# Altium PCB MatrixLantern.PcbDoc (part 1 of 2)
Units mm, origin at the board's own origin, x right, y up, seen from the top; angles counter-clockwise.
Board outline 100 x 100 mm, 2 copper layers (Top Layer, Bottom Layer); 106 components, 79 nets, 554 pads, 391 vias.
Unrouted connection lines stored in the file: 95.
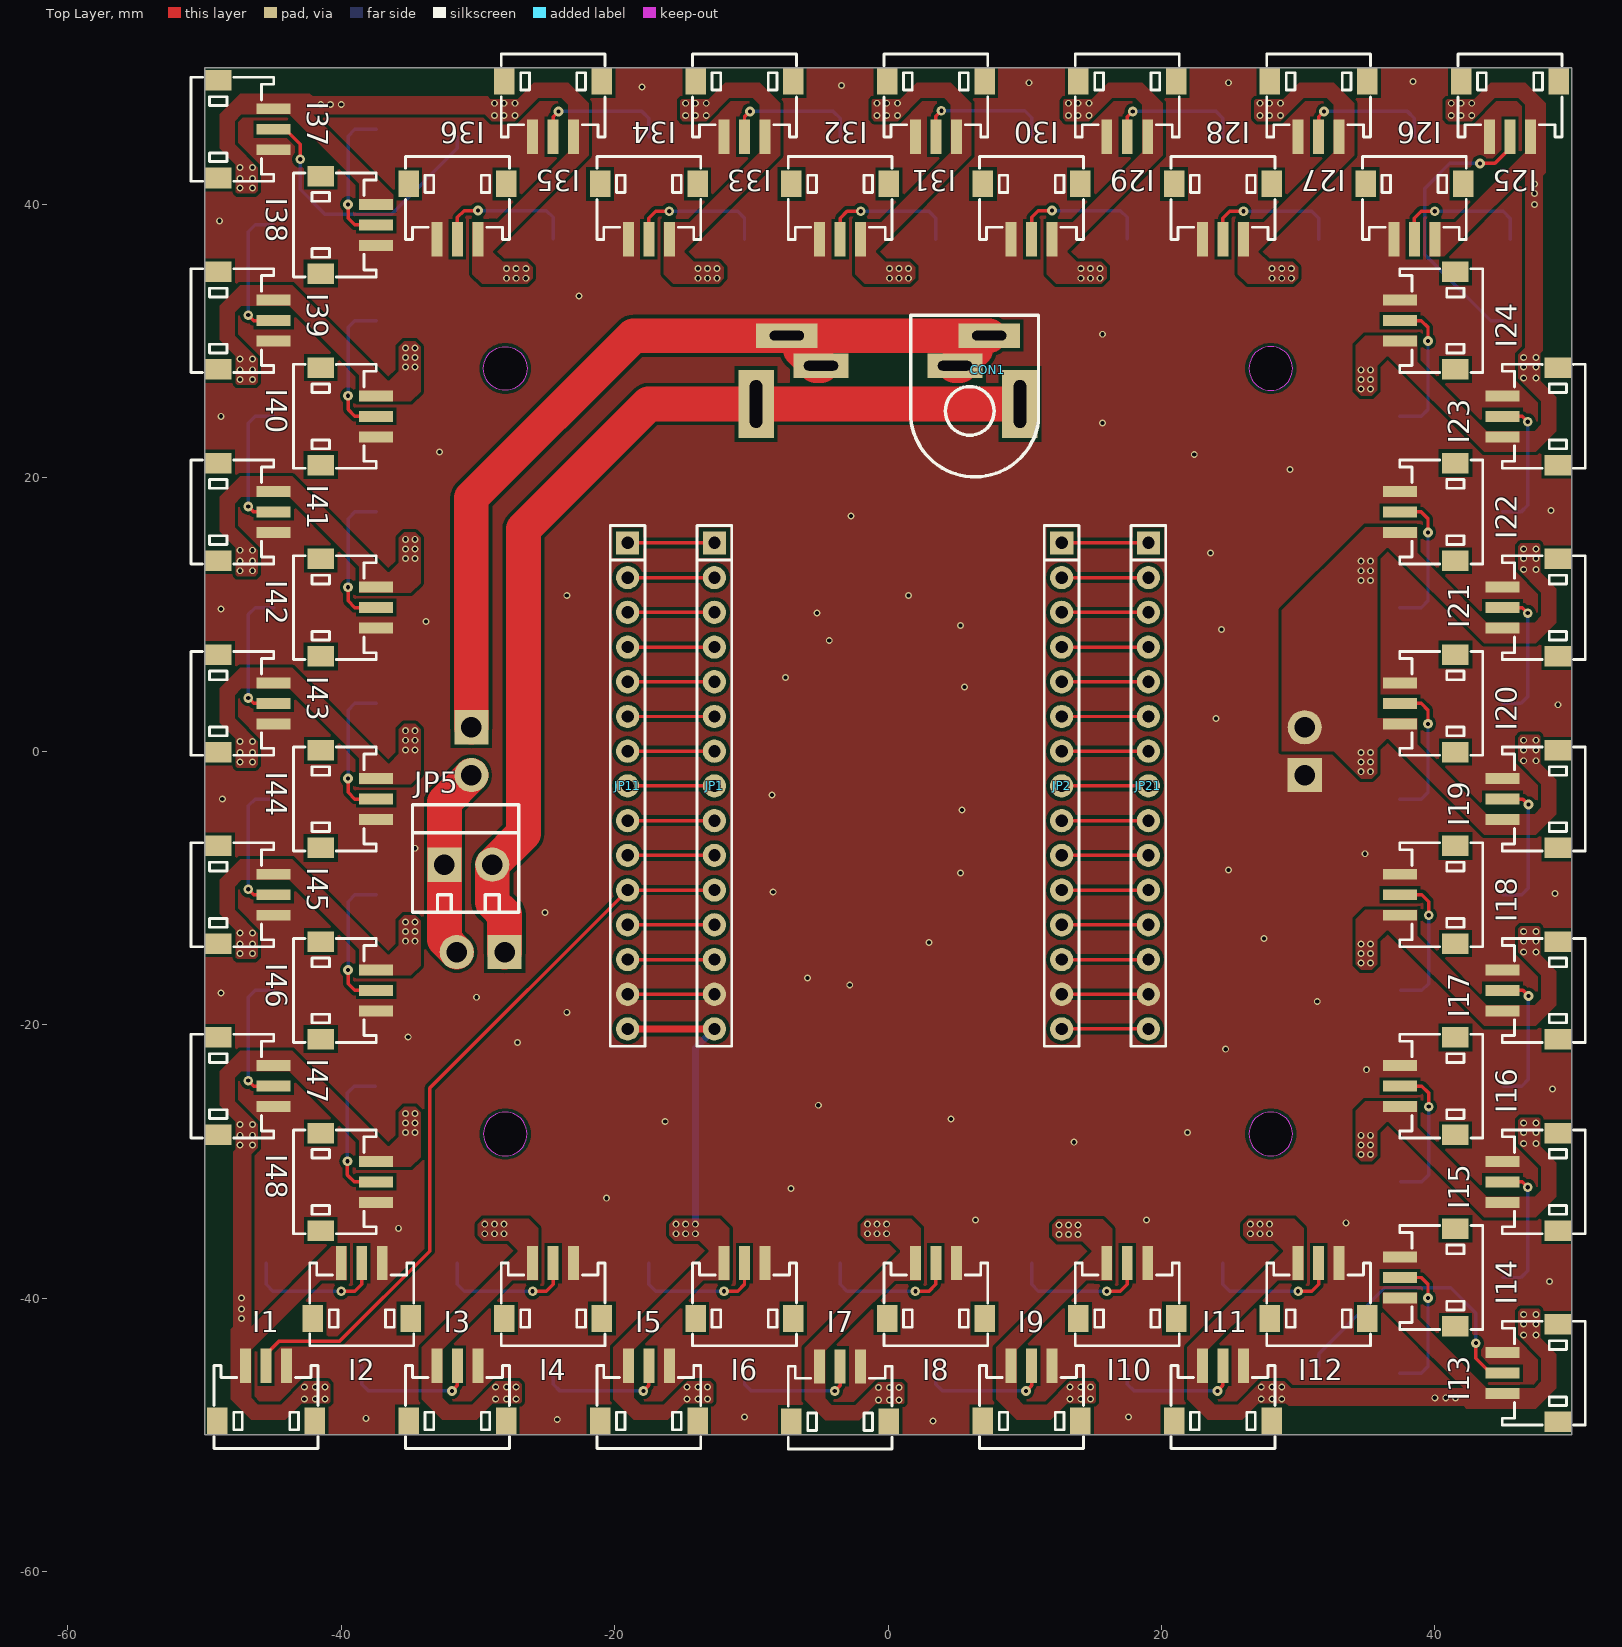
[diagram p0: Top Layer view]
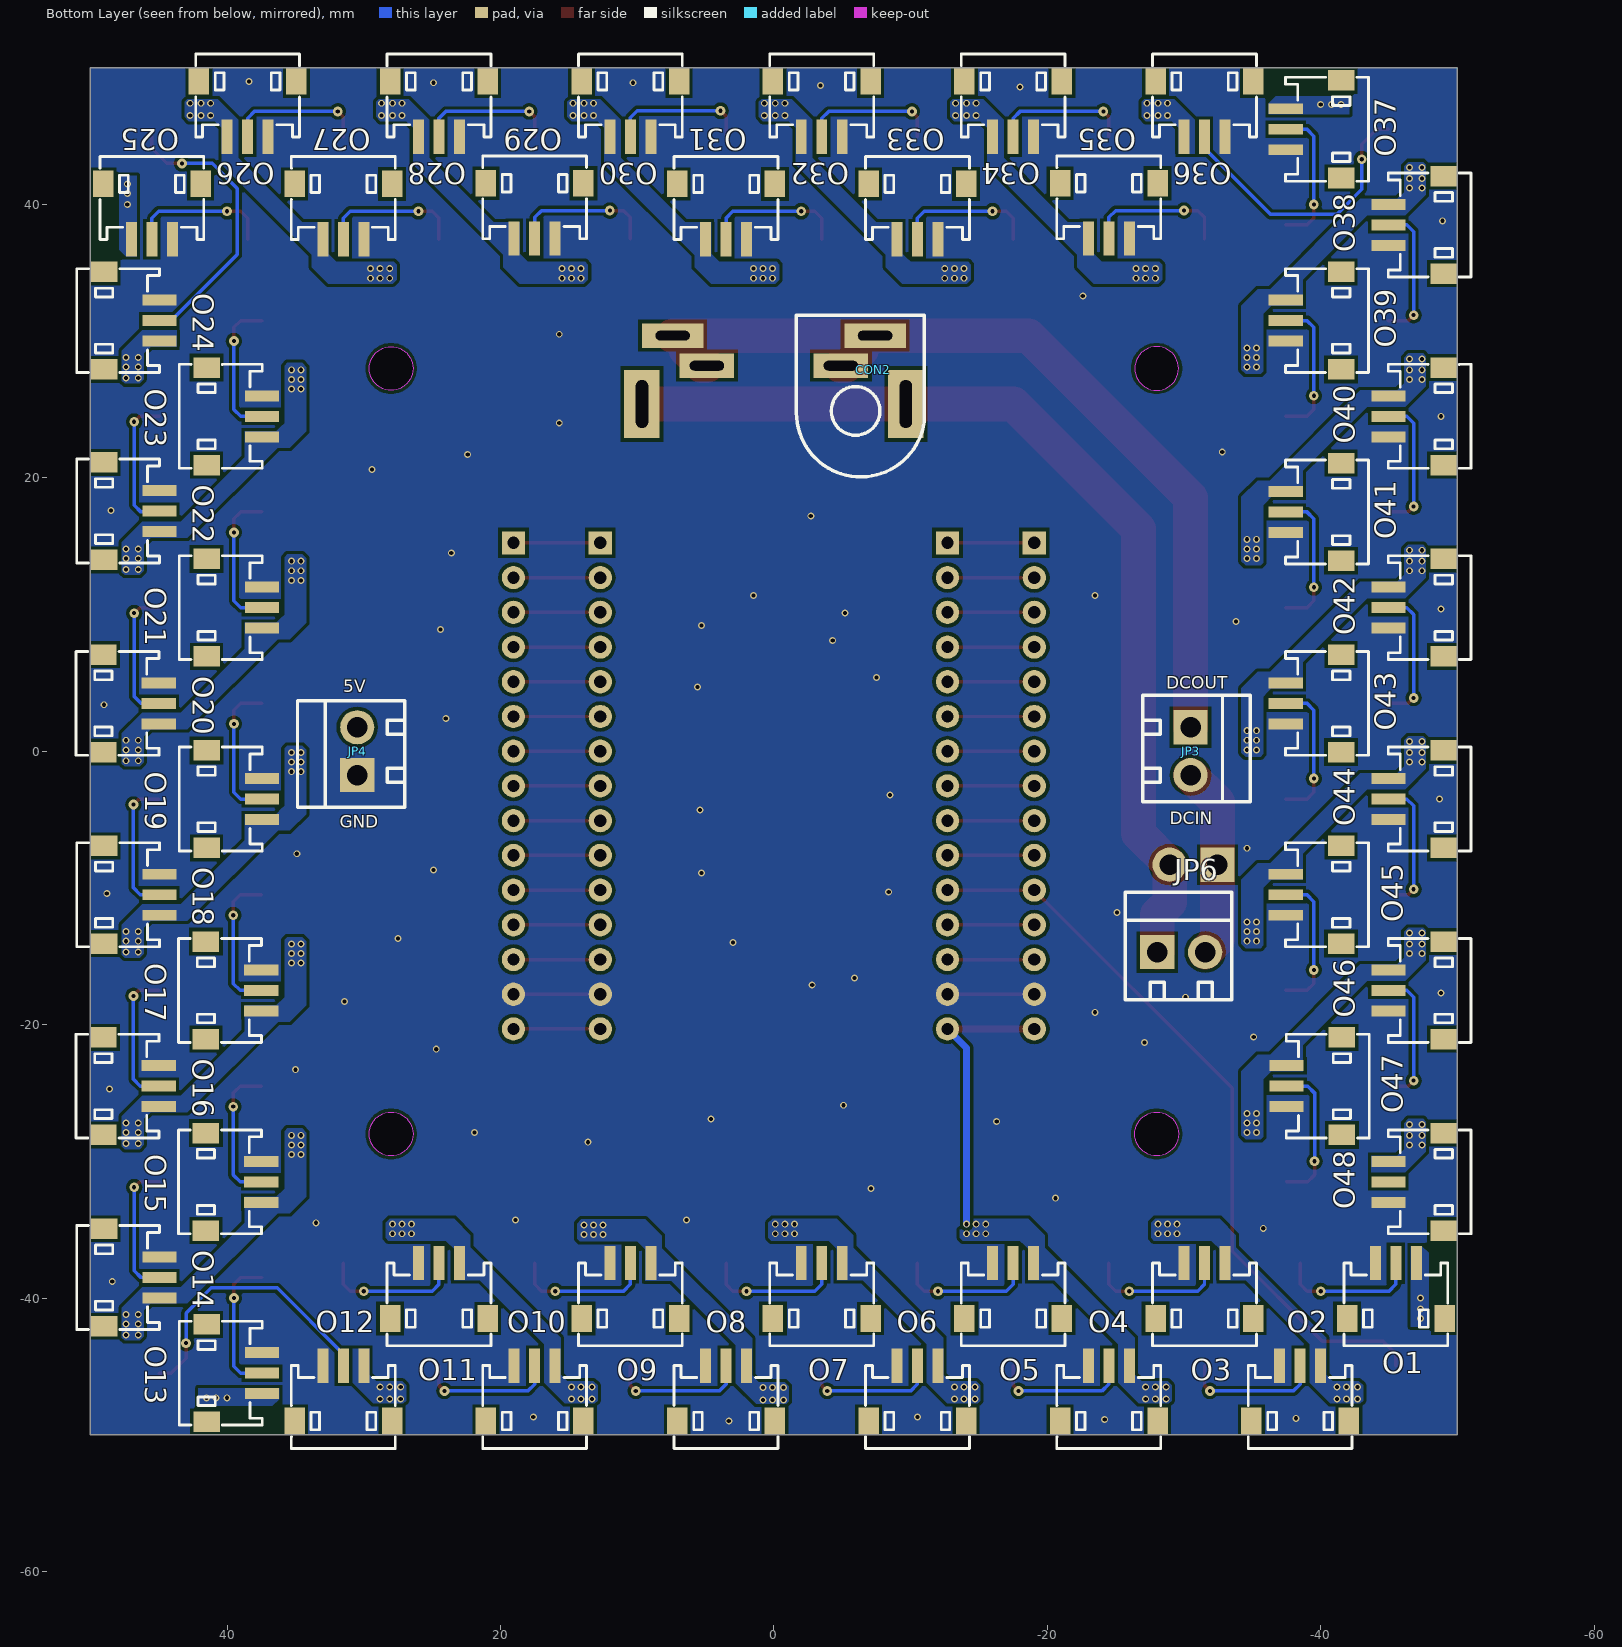
[diagram p1: Bottom Layer view, seen from below]

## Layer stack, top to bottom
Top Solder: solder mask 0.0102, Solder Resist, Dk 3.5
Top Layer: signal copper 0.0356
Dielectric 1: dielectric 0.32, FR-4, Dk 4.8
Bottom Layer: signal copper 0.0356
Bottom Solder: solder mask 0.0102, Solder Resist, Dk 3.5

## Board outline
-50,-50 -50,50 50,50 50,-50
cut-out: -29.6,-28 ccw(c-28,-28) -28,-29.6 ccw(c-28,-28) -26.4,-28 ccw(c-28,-28) -28,-26.4 ccw(c-28,-28)
cut-out: 26.4,-28 ccw(c28,-28) 28,-29.6 ccw(c28,-28) 29.6,-28 ccw(c28,-28) 28,-26.4 ccw(c28,-28)
cut-out: 26.4,28 ccw(c28,28) 28,26.4 ccw(c28,28) 29.6,28 ccw(c28,28) 28,29.6 ccw(c28,28)
cut-out: -28,26.4 cw(c-28,28) -29.6,28 cw(c-28,28) -28,29.6 cw(c-28,28) -26.4,28 cw(c-28,28)

## Design rules (kind name [scope] priority, off if disabled: settings)
Clearance [All] p1: gap=0.254 ignorepadtopadclearanceinfootprint=FALSE except(0: Arc-Hole Track-Hole SMDPad-Hole THPad-Hole Via-Hole Fill-Hole Poly-Hole Region-Hole Text-Hole)
PlaneConnect [All] p1: planeconnectstyle=Direct reliefexpansion=0.508 reliefentries=4 reliefconductorwidth=0.254 reliefairgap=0.254
PolygonConnect [InNet('GND')] p1: connectstyle=Direct reliefconductorwidth=0.254 reliefentries=4 polygonreliefangle="90 Angle" airgapwidth=0.254
PolygonConnect PolygonConnect_2 [InNet('Vin')] p2: connectstyle=Direct reliefconductorwidth=0.254 reliefentries=4 polygonreliefangle="90 Angle" airgapwidth=0.254
PolygonConnect PolygonConnect_1 [All] p3: thpad.connectstyle=Relief thpad.reliefconductorwidth=0.254 thpad.reliefentries=4 thpad.polygonreliefangle="90 Angle" thpad.airgapwidth=0.254 smdpad.connectstyle=Direct smdpad.reliefconductorwidth=0.254 smdpad.reliefentries=4 smdpad.polygonreliefangle="90 Angle" smdpad.airgapwidth=0.254 via.connectstyle=Direct via.reliefconductorwidth=0.254 via.reliefentries=4 via.polygonreliefangle="90 Angle" via.airgapwidth=0.254
RoutingVias [All] p1: holewidth=0.305 width=0.711 viastyle="Through Hole" minholewidth=0.305 minwidth=0.711 maxholewidth=0.711 maxwidth=1.27
SolderMaskExpansion [All] p1: expansion=0.102
Width [All] p1: maxlimit=2.54 minlimit=0.254 preferedwidth=0.254
29 further rules are at their usual default settings.

## Components (designator, comment, footprint, x,y, rotation, side; value= is the part's Value field where it differs from the comment)
CON1 "3.5*1.3" DC-012 9.652,25.4 r180 top
CON2 "3.5*1.3" DC-012 -9.652,25.4 r0 bottom
I1 "HDR-1X3" ZH1.5-WS-3P -45.5,-49 r0 top
I2 "HDR-1X3" ZH1.5-WS-3P -38.5,-41.5 r0 top
I3 "HDR-1X3" ZH1.5-WS-3P -31.5,-49 r0 top
I4 "HDR-1X3" ZH1.5-WS-3P -24.5,-41.5 r0 top
I5 "HDR-1X3" ZH1.5-WS-3P -17.5,-49 r0 top
I6 "HDR-1X3" ZH1.5-WS-3P -10.5,-41.5 r0 top
I7 "HDR-1X3" ZH1.5-WS-3P -3.5,-49.05 r0 top
I8 "HDR-1X3" ZH1.5-WS-3P 3.5,-41.5 r0 top
I9 "HDR-1X3" ZH1.5-WS-3P 10.5,-49 r0 top
I10 "HDR-1X3" ZH1.5-WS-3P 17.5,-41.5 r0 top
I11 "HDR-1X3" ZH1.5-WS-3P 24.5,-49 r0 top
I12 "HDR-1X3" ZH1.5-WS-3P 31.5,-41.5 r0 top
I13 "HDR-1X3" ZH1.5-WS-3P 49,-45.5 r90 top
I14 "HDR-1X3" ZH1.5-WS-3P 41.5,-38.5 r90 top
I15 "HDR-1X3" ZH1.5-WS-3P 49,-31.5 r90 top
I16 "HDR-1X3" ZH1.5-WS-3P 41.5,-24.5 r90 top
I17 "HDR-1X3" ZH1.5-WS-3P 49,-17.5 r90 top
I18 "HDR-1X3" ZH1.5-WS-3P 41.5,-10.5 r90 top
I19 "HDR-1X3" ZH1.5-WS-3P 49,-3.5 r90 top
I20 "HDR-1X3" ZH1.5-WS-3P 41.5,3.5 r90 top
I21 "HDR-1X3" ZH1.5-WS-3P 49,10.5 r90 top
I22 "HDR-1X3" ZH1.5-WS-3P 41.5,17.5 r90 top
I23 "HDR-1X3" ZH1.5-WS-3P 49,24.5 r90 top
I24 "HDR-1X3" ZH1.5-WS-3P 41.5,31.5 r90 top
I25 "HDR-1X3" ZH1.5-WS-3P 45.5,49 r180 top
I26 "HDR-1X3" ZH1.5-WS-3P 38.5,41.5 r180 top
I27 "HDR-1X3" ZH1.5-WS-3P 31.5,49 r180 top
I28 "HDR-1X3" ZH1.5-WS-3P 24.5,41.5 r180 top
I29 "HDR-1X3" ZH1.5-WS-3P 17.5,49 r180 top
I30 "HDR-1X3" ZH1.5-WS-3P 10.5,41.5 r180 top
I31 "HDR-1X3" ZH1.5-WS-3P 3.5,49 r180 top
I32 "HDR-1X3" ZH1.5-WS-3P -3.5,41.5 r180 top
I33 "HDR-1X3" ZH1.5-WS-3P -10.5,49 r180 top
I34 "HDR-1X3" ZH1.5-WS-3P -17.5,41.5 r180 top
I35 "HDR-1X3" ZH1.5-WS-3P -24.5,49 r180 top
I36 "HDR-1X3" ZH1.5-WS-3P -31.5,41.5 r180 top
I37 "HDR-1X3" ZH1.5-WS-3P -49,45.5 r270 top
I38 "HDR-1X3" ZH1.5-WS-3P -41.5,38.5 r270 top
I39 "HDR-1X3" ZH1.5-WS-3P -49,31.5 r270 top
I40 "HDR-1X3" ZH1.5-WS-3P -41.5,24.5 r270 top
I41 "HDR-1X3" ZH1.5-WS-3P -49,17.5 r270 top
I42 "HDR-1X3" ZH1.5-WS-3P -41.5,10.5 r270 top
I43 "HDR-1X3" ZH1.5-WS-3P -49,3.5 r270 top
I44 "HDR-1X3" ZH1.5-WS-3P -41.5,-3.5 r270 top
I45 "HDR-1X3" ZH1.5-WS-3P -49,-10.5 r270 top
I46 "HDR-1X3" ZH1.5-WS-3P -41.5,-17.5 r270 top
I47 "HDR-1X3" ZH1.5-WS-3P -49,-24.5 r270 top
I48 "HDR-1X3" ZH1.5-WS-3P -41.5,-31.5 r270 top
JP1 "HDR-1X15" HDR2.54-M-LI-15P -12.7,-2.54 r270 top
JP2 "HDR-1X15" HDR2.54-M-LI-15P 12.7,-2.54 r270 top
JP3 "HDR-1X2" KF350-2P -30.48,0 r270 bottom
JP4 "HDR-1X2" KF350-2P 30.48,0 r90 bottom
JP5 "HDR-1X2" KF350-2P -30.7,-8.3 r0 top
JP6 "HDR-1X2" KF350-2P -29.8,-14.7 r180 bottom
JP11 "HDR-1X15" HDR2.54-LI-15P -19.05,-2.54 r270 top
JP21 "HDR-1X15" HDR2.54-LI-15P 19.05,-2.54 r270 top
O1 "HDR-1X3" ZH1.5-WS-3P -45.5,-41.5 r180 bottom
O2 "HDR-1X3" ZH1.5-WS-3P -38.5,-49 r180 bottom
O3 "HDR-1X3" ZH1.5-WS-3P -31.5,-41.5 r180 bottom
O4 "HDR-1X3" ZH1.5-WS-3P -24.5,-49 r180 bottom
O5 "HDR-1X3" ZH1.5-WS-3P -17.5,-41.5 r180 bottom
O6 "HDR-1X3" ZH1.5-WS-3P -10.5,-49 r180 bottom
O7 "HDR-1X3" ZH1.5-WS-3P -3.5,-41.5 r180 bottom
O8 "HDR-1X3" ZH1.5-WS-3P 3.5,-49 r180 bottom
O9 "HDR-1X3" ZH1.5-WS-3P 10.5,-41.5 r180 bottom
O10 "HDR-1X3" ZH1.5-WS-3P 17.5,-49 r180 bottom
O11 "HDR-1X3" ZH1.5-WS-3P 24.5,-41.5 r180 bottom
O12 "HDR-1X3" ZH1.5-WS-3P 31.5,-49 r180 bottom
O13 "HDR-1X3" ZH1.5-WS-3P 41.5,-45.5 r270 bottom
O14 "HDR-1X3" ZH1.5-WS-3P 49,-38.5 r270 bottom
O15 "HDR-1X3" ZH1.5-WS-3P 41.55,-31.5 r270 bottom
O16 "HDR-1X3" ZH1.5-WS-3P 49.05,-24.5 r270 bottom
O17 "HDR-1X3" ZH1.5-WS-3P 41.55,-17.5 r270 bottom
O18 "HDR-1X3" ZH1.5-WS-3P 49,-10.5 r270 bottom
O19 "HDR-1X3" ZH1.5-WS-3P 41.5,-3.5 r270 bottom
O20 "HDR-1X3" ZH1.5-WS-3P 49.05,3.5 r270 bottom
O21 "HDR-1X3" ZH1.5-WS-3P 41.5,10.5 r270 bottom
O22 "HDR-1X3" ZH1.5-WS-3P 49,17.568 r270 bottom
O23 "HDR-1X3" ZH1.5-WS-3P 41.5,24.5 r270 bottom
O24 "HDR-1X3" ZH1.5-WS-3P 49,31.5 r270 bottom
O25 "HDR-1X3" ZH1.5-WS-3P 45.5,41.5 r0 bottom
O26 "HDR-1X3" ZH1.5-WS-3P 38.5,49 r0 bottom
O27 "HDR-1X3" ZH1.5-WS-3P 31.5,41.5 r0 bottom
O28 "HDR-1X3" ZH1.5-WS-3P 24.5,49 r0 bottom
O29 "HDR-1X3" ZH1.5-WS-3P 17.5,41.55 r0 bottom
O30 "HDR-1X3" ZH1.5-WS-3P 10.5,49 r0 bottom
O31 "HDR-1X3" ZH1.5-WS-3P 3.5,41.5 r0 bottom
O32 "HDR-1X3" ZH1.5-WS-3P -3.5,49 r0 bottom
O33 "HDR-1X3" ZH1.5-WS-3P -10.5,41.5 r0 bottom
O34 "HDR-1X3" ZH1.5-WS-3P -17.5,49 r0 bottom
O35 "HDR-1X3" ZH1.5-WS-3P -24.5,41.55 r0 bottom
O36 "HDR-1X3" ZH1.5-WS-3P -31.5,49 r0 bottom
O37 "HDR-1X3" ZH1.5-WS-3P -41.5,45.5 r90 bottom
O38 "HDR-1X3" ZH1.5-WS-3P -49,38.5 r90 bottom
O39 "HDR-1X3" ZH1.5-WS-3P -41.5,31.5 r90 bottom
O40 "HDR-1X3" ZH1.5-WS-3P -49,24.5 r90 bottom
O41 "HDR-1X3" ZH1.5-WS-3P -41.5,17.5 r90 bottom
O42 "HDR-1X3" ZH1.5-WS-3P -49,10.5 r90 bottom
O43 "HDR-1X3" ZH1.5-WS-3P -41.5,3.5 r90 bottom
O44 "HDR-1X3" ZH1.5-WS-3P -49,-3.5 r90 bottom
O45 "HDR-1X3" ZH1.5-WS-3P -41.5,-10.5 r90 bottom
O46 "HDR-1X3" ZH1.5-WS-3P -49,-17.5 r90 bottom
O47 "HDR-1X3" ZH1.5-WS-3P -41.55,-24.5 r90 bottom
O48 "HDR-1X3" ZH1.5-WS-3P -49,-31.5 r90 bottom

## Footprints (in the part's own frame and the unit in brackets; to place one, negate y for a bottom-side part, rotate by r counter-clockwise, add the part's x,y. Pads: shape width x height; smd on the part's side, far side on the other; paste and mask are expansions set on the pad)
DC-012 [mm] "5.5*2.1"
  rect 2.6x5 hole 0.9 slot 3.5 at 90 deg: 1(0,0)
  rect 4.5x1.8 hole 0.7 slot 2.5 at 0 deg: 2(2.25,-5)
  rect 4x1.8 hole 0.7 slot 2.5 at 0 deg: 3(4.75,-2.8)
  silkscreen extent -1.35,-6.48 8,5.33, body extent -1.11,-6.47 7.89,4.53, height 13.6
HDR2.54-LI-15P [mm] "排针，15脚"
  rect 1.7x1.7 hole 0.9: 1(-17.78,0)
  round 1.7 hole 0.9: 2(-15.24,0) 3(-12.7,0) 4(-10.16,0) 5(-7.62,0) 6(-5.08,0) 7(-2.54,0) 8(0,0) 9(2.54,0) 10(5.08,0) 11(7.62,0) 12(10.16,0) 13(12.7,0) 14(15.24,0) 15(17.78,0)
  silkscreen extent -19.05,-1.27 19.05,1.27, body extent -19.05,-1.27 19.05,1.27, height 8.5
HDR2.54-M-LI-15P [mm] "排母，15脚"
  rect 1.7x1.7 hole 0.9: 1(-17.78,0)
  round 1.7 hole 0.9: 2(-15.24,0) 3(-12.7,0) 4(-10.16,0) 5(-7.62,0) 6(-5.08,0) 7(-2.54,0) 8(0,0) 9(2.54,0) 10(5.08,0) 11(7.62,0) 12(10.16,0) 13(12.7,0) 14(15.24,0) 15(17.78,0)
  silkscreen extent -19.05,-1.27 19.05,1.27, body extent -19.05,-1.27 19.05,1.27, height 8.5
KF350-2P [mm] "可拼接端子/10A"
  rect 2.5x2.5 hole 1.5: 1(-1.75,0)
  round 2.5 hole 1.5: 2(1.75,0)
  silkscreen extent -4.09,-3.48 3.69,4.37, body extent -3.9,-3.3 3.5,4.2, height 10
ZH1.5-WS-3P [mm] "长：7.6mm，宽：6.0mm，高：3.7mm"
  rect 1.5x1.95 smd: 0(-3.568,0) 0(3.568,0)
  rect 0.8x2.5 smd: 1(-1.5,4.05) 2(0,4.05) 3(1.5,4.05)
  silkscreen extent -3.8,-2 3.8,4.06, body extent -3.8,-2 3.8,4.6, height 3.75

## Part data
CON1 CON2: library part P-DC, "低压电源接口", BOM名称=DC, 学习资源=www.o
I1 I2 I3 I4 I5 I6 I7 I8 I9 I10 I11 I12 I13 I14 I15 I16 I17 I18 I19 I20 I21 I22 I23 I24 I25 I26 I27 I28 I29 I30 I31 I32 I33 I34 I35 I36 I37 I38 I39 I40 I41 I42 I43 I44 I45 I46 I47 I48 O1 O2 O3 O4 O5 O6 O7 O8 O9 O10 O11 O12 O13 O14 O15 O16 O17 O18 O19 O20 O21 O22 O23 O24 O25 O26 O27 O28 O29 O30 O31 O32 O33 O34 O35 O36 O37 O38 O39 O40 O41 O42 O43 O44 O45 O46 O47 O48: library part "Header 3", "3P接插件", BOM名称=3, 学习资源=www.o
JP1 JP2 JP11 JP21: library part "Header 15", "15P接插件", BOM名称=15, 学习资源=www.o
JP3 JP4 JP5 JP6: library part "Header 2", "2P接插件"

## Via types
v1: diameter 0.508, hole 0.305, Top Layer to Bottom Layer, 344 vias
v2: diameter 0.711, hole 0.305, Top Layer to Bottom Layer, 47 vias

## Nets (pads, with @x,y where several pads share a name; then routed paths per layer and width w, separated by ;. In a path a pad name is that pad's centre, name@x,y a point inside that pad or via, vN(x,y) a via of type N, cw(c..) or ccw(c..) an arc to the next point about the centre after c; other vN are vias at no path point)
D13: I1.2 JP1.11 JP11.11 | length 54.7
  Top Layer w0.254: I1.2@-45.5,-44.95 -45.5,-44.1 -44.58,-43.18 -40.132,-43.18 -33.528,-36.576 -33.528,-24.638 JP11.11@-19.05,-10.16 JP1.11@-12.7,-10.16
DCIN: CON1.1 CON2.1 JP5.2 JP6.1 | length 72.4
  Top Layer w2.54: JP6.1@-28.05,-14.7 -28.05,-11.95 -28.95,-11.05 JP5.2@-28.95,-8.3 -26.67,-6.02 -26.67,16.256 -17.526,25.4 CON2.1@-9.652,25.4 CON1.1@9.652,25.4
DCOUT: CON1.2 CON1.3 CON2.2 CON2.3 JP3.1 | length 66
  Top Layer w2.54: JP3.1@-30.48,1.75 -30.48,18.542 -18.622,30.4 CON2.2@-7.402,30.4 CON2.2@-6.792,30.4 ; CON2.3@-4.902,28.2 -5.262,28.2 -6.422,29.36 -6.422,30.03 CON2.2@-6.792,30.4 ; CON1.3@4.902,28.2 5.262,28.2 6.422,29.36 6.422,30.03 CON1.2@6.792,30.4 ; CON1.2@7.402,30.4 CON1.2@6.792,30.4 ; CON2.2@-6.792,30.4 CON1.2@6.792,30.4
GND: I1.3 I2.3 I3.3 I4.3 I5.3 I6.3 I7.3 I8.3 I9.3 I10.3 I11.3 I12.3 I13.3 I14.3 I15.3 I16.3 I17.3 I18.3 I19.3 I20.3 I21.3 I22.3 I23.3 I24.3 I25.3 I26.3 I27.3 I28.3 I29.3 I30.3 I31.3 I32.3 I33.3 I34.3 I35.3 I36.3 I37.3 I38.3 I39.3 I40.3 I41.3 I42.3 I43.3 I44.3 I45.3 I46.3 I47.3 I48.3 JP1.14 JP2.14 JP4.1 JP11.14 JP21.14 O1.1 O2.1 O3.1 O4.1 O5.1 O6.1 O7.1 O8.1 O9.1 O10.1 O11.1 O12.1 O13.1 O14.1 O15.1 O16.1 O17.1 O18.1 O19.1 O20.1 O21.1 O22.1 O23.1 O24.1 O25.1 O26.1 O27.1 O28.1 O29.1 O30.1 O31.1 O32.1 O33.1 O34.1 O35.1 O36.1 O37.1 O38.1 O39.1 O40.1 O41.1 O42.1 O43.1 O44.1 O45.1 O46.1 O47.1 O48.1 | length 12.7
  Top Layer w0.254: JP11.14@-19.05,-17.78 JP1.14@-12.7,-17.78 ; JP2.14@12.7,-17.78 JP21.14@19.05,-17.78
  other v1: 3.3,-49 -24.2,-48.9 -38.2,-48.8 -10.5,-48.7 17.6,-48.7 48.4,-38.8 -35.8,-34.9 33.5,-34.5 6.4,-34.3 18.9,-34.3 -20.6,-32.7 -7.1,-32 13.6,-28.6 21.9,-27.9 -16.3,-27.1 4.6,-26.9 -5.1,-25.9 48.6,-24.7 35,-23.3 24.7,-21.8 -27.1,-21.3 -35.1,-20.9 -23.5,-19.1 31.4,-18.3 -30.1,-18 -48.8,-17.7 -2.8,-17.1 -5.9,-16.6 3,-14 27.5,-13.7 -25.1,-11.8 48.8,-10.4 -8.4,-10.3 5.3,-8.9 24.9,-8.7 34.9,-7.5 -34.6,-7.1 5.4,-4.3 -48.7,-3.5 -8.5,-3.2 24,2.4 49,3.4 5.6,4.7 -7.5,5.4 -4.3,8.1 24.4,8.9 5.3,9.2 -33.8,9.5 -5.2,10.1 -48.8,10.4 -23.5,11.4 1.5,11.4 23.6,14.5 -2.7,17.2 48.5,17.6 29.4,20.6 22.4,21.7 -32.8,21.9 15.7,24 -48.8,24.5 15.7,30.5 -22.6,33.3 -48.9,38.8 -18,48.6 -3.4,48.7 10.3,48.9 24.9,48.9 38.4,49
IN2: I2.2 O1.2 | length 10.5
  Top Layer w0.254: v2(-40,-39.5) -39,-39.5 -38.5,-39 I2.2@-38.5,-37.45
  Bottom Layer w0.254: O1.2@-45.5,-37.45 -45.5,-39 -45,-39.5 v2(-40,-39.5)
IN3: I3.2 O2.2 | length 10.2
  Top Layer w0.254: v2(-31.9,-46.8) -31.5,-46.4 I3.2@-31.5,-44.95
  Bottom Layer w0.254: O2.2@-38.5,-44.95 -38.5,-46.3 -38,-46.8 v2(-31.9,-46.8)
IN4: I4.2 O3.2 | length 10.5
  Top Layer w0.254: v2(-26,-39.5) -25,-39.5 -24.5,-39 I4.2@-24.5,-37.45
  Bottom Layer w0.254: O3.2@-31.5,-37.45 -31.5,-39 -31,-39.5 v2(-26,-39.5)
IN5: I5.2 O4.2 | length 10.2
  Top Layer w0.254: v2(-17.9,-46.8) -17.5,-46.4 I5.2@-17.5,-44.95
  Bottom Layer w0.254: O4.2@-24.5,-44.95 -24.5,-46.3 -24,-46.8 v2(-17.9,-46.8)
IN6: I6.2 O5.2 | length 10.5
  Top Layer w0.254: v2(-12,-39.5) -11,-39.5 -10.5,-39 I6.2@-10.5,-37.45
  Bottom Layer w0.254: O5.2@-17.5,-37.45 -17.5,-39 -17,-39.5 v2(-12,-39.5)
IN7: I7.2 O6.2 | length 10.2
  Top Layer w0.254: v2(-3.9,-46.8) -3.5,-46.4 I7.2@-3.5,-44.95
  Bottom Layer w0.254: O6.2@-10.5,-44.95 -10.5,-46.3 -10,-46.8 v2(-3.9,-46.8)
IN8: I8.2 O7.2 | length 10.5
  Top Layer w0.254: v2(2,-39.5) 3,-39.5 3.5,-39 I8.2@3.5,-37.45
  Bottom Layer w0.254: O7.2@-3.5,-37.45 -3.5,-39 -3,-39.5 v2(2,-39.5)
IN9: I9.2 O8.2 | length 10.2
  Top Layer w0.254: v2(10.1,-46.8) 10.5,-46.4 I9.2@10.5,-44.95
  Bottom Layer w0.254: O8.2@3.5,-44.95 3.5,-46.3 4,-46.8 v2(10.1,-46.8)
IN10: I10.2 O9.2 | length 10.5
  Top Layer w0.254: v2(16,-39.5) 17,-39.5 17.5,-39 I10.2@17.5,-37.45
  Bottom Layer w0.254: O9.2@10.5,-37.45 10.5,-39 11,-39.5 v2(16,-39.5)
IN11: I11.2 O10.2 | length 10.2
  Top Layer w0.254: v2(24.1,-46.8) 24.5,-46.4 I11.2@24.5,-44.95
  Bottom Layer w0.254: O10.2@17.5,-44.95 17.5,-46.3 18,-46.8 v2(24.1,-46.8)
IN12: I12.2 O11.2 | length 10.5
  Top Layer w0.254: v2(30,-39.5) 31,-39.5 31.5,-39 I12.2@31.5,-37.45
  Bottom Layer w0.254: O11.2@24.5,-37.45 24.5,-39 25,-39.5 v2(30,-39.5)
IN13: I13.2 O12.2 | length 20.8
  Top Layer w0.254: v2(43,-43.3) 43,-44.4 44.1,-45.5 I13.2@44.95,-45.5
  Bottom Layer w0.254: O12.2@31.5,-44.95 31.5,-44.1 36.337,-39.263 41.163,-39.263 43,-41.1 v2(43,-43.3)
IN14: I14.2 O13.2 | length 10.5
  Top Layer w0.254: I14.2@37.45,-38.5 39,-38.5 39.5,-39 v2(39.5,-40)
  Bottom Layer w0.254: O13.2@37.45,-45.5 39,-45.5 39.5,-45 v2(39.5,-40)
IN15: I15.2 O14.2 | length 10.2
  Top Layer w0.254: I15.2@44.95,-31.5 46.4,-31.5 v2(46.8,-31.9)
  Bottom Layer w0.254: O14.2@44.95,-38.5 46.3,-38.5 46.8,-38 v2(46.8,-31.9)
IN16: I16.2 O15.2 | length 10.5
  Top Layer w0.254: I16.2@37.5,-24.5 39.05,-24.5 39.55,-25 v2(39.55,-26)
  Bottom Layer w0.254: O15.2@37.5,-31.5 39.05,-31.5 39.55,-31 v2(39.55,-26)
IN17: I17.2 O16.2 | length 10.2
  Top Layer w0.254: I17.2@45,-17.5 46.45,-17.5 v2(46.85,-17.9)
  Bottom Layer w0.254: O16.2@45,-24.5 46.35,-24.5 46.85,-24 v2(46.85,-17.9)
IN18: I18.2 O17.2 | length 10.5
  Top Layer w0.254: I18.2@37.5,-10.5 39.05,-10.5 39.55,-11 v2(39.55,-12)
  Bottom Layer w0.254: O17.2@37.5,-17.5 39.05,-17.5 39.55,-17 v2(39.55,-12)
IN19: I19.2 O18.2 | length 10.2
  Top Layer w0.254: I19.2@45,-3.5 46.45,-3.5 v2(46.85,-3.9)
  Bottom Layer w0.254: O18.2@45,-10.5 46.35,-10.5 46.85,-10 v2(46.85,-3.9)
IN20: I20.2 O19.2 | length 10.5
  Top Layer w0.254: I20.2@37.45,3.5 39,3.5 39.5,3 v2(39.5,2)
  Bottom Layer w0.254: O19.2@37.45,-3.5 39,-3.5 39.5,-3 v2(39.5,2)
IN21: I21.2 O20.2 | length 10.2
  Top Layer w0.254: I21.2@44.95,10.5 46.4,10.5 v2(46.8,10.1)
  Bottom Layer w0.254: O20.2@44.95,3.5 46.3,3.5 46.8,4 v2(46.8,10.1)
IN22: I22.2 O21.2 | length 10.5
  Top Layer w0.254: I22.2@37.45,17.5 39,17.5 39.5,17 v2(39.5,16)
  Bottom Layer w0.254: O21.2@37.45,10.5 39,10.5 39.5,11 v2(39.5,16)
IN23: I23.2 O22.2 | length 10.2
  Top Layer w0.254: I23.2@44.95,24.5 46.4,24.5 v2(46.8,24.1)
  Bottom Layer w0.254: O22.2@44.95,17.5 46.3,17.5 46.8,18 v2(46.8,24.1)
IN24: I24.2 O23.2 | length 10.5
  Top Layer w0.254: I24.2@37.45,31.5 39,31.5 39.5,31 v2(39.5,30)
  Bottom Layer w0.254: O23.2@37.45,24.5 39,24.5 39.5,25 v2(39.5,30)
IN25: I25.2 O24.2 | length 20.8
  Top Layer w0.254: v2(43.3,43) 44.4,43 45.5,44.1 I25.2@45.5,44.95
  Bottom Layer w0.254: v2(43.3,43) 41.1,43 39.263,41.163 39.263,36.337 44.1,31.5 O24.2@44.95,31.5
IN26: I26.2 O25.2 | length 10.5
  Top Layer w0.254: I26.2@38.5,37.45 38.5,39 39,39.5 v2(40,39.5)
  Bottom Layer w0.254: v2(40,39.5) 45,39.5 45.5,39 O25.2@45.5,37.45
IN27: I27.2 O26.2 | length 10.2
  Top Layer w0.254: I27.2@31.5,44.95 31.5,46.4 v2(31.9,46.8)
  Bottom Layer w0.254: v2(31.9,46.8) 38,46.8 38.5,46.3 O26.2@38.5,44.95
IN28: I28.2 O27.2 | length 10.5
  Top Layer w0.254: I28.2@24.5,37.45 24.5,39 25,39.5 v2(26,39.5)
  Bottom Layer w0.254: v2(26,39.5) 31,39.5 31.5,39 O27.2@31.5,37.45
IN29: I29.2 O28.2 | length 10.2
  Top Layer w0.254: I29.2@17.5,44.95 17.5,46.4 v2(17.9,46.8)
  Bottom Layer w0.254: v2(17.9,46.8) 24,46.8 24.5,46.3 O28.2@24.5,44.95
IN30: I30.2 O29.2 | length 10.5
  Top Layer w0.254: I30.2@10.5,37.5 10.5,39.05 11,39.55 v2(12,39.55)
  Bottom Layer w0.254: v2(12,39.55) 17,39.55 17.5,39.05 O29.2@17.5,37.5
IN31: I31.2 O30.2 | length 10.2
  Top Layer w0.254: I31.2@3.5,45 3.5,46.45 v2(3.9,46.85)
  Bottom Layer w0.254: v2(3.9,46.85) 10,46.85 10.5,46.35 O30.2@10.5,45
IN32: I32.2 O31.2 | length 10.5
  Top Layer w0.254: I32.2@-3.5,37.45 -3.5,39 -3,39.5 v2(-2,39.5)
  Bottom Layer w0.254: v2(-2,39.5) 3,39.5 3.5,39 O31.2@3.5,37.45
IN33: I33.2 O32.2 | length 10.2
  Top Layer w0.254: I33.2@-10.5,44.95 -10.5,46.4 v2(-10.1,46.8)
  Bottom Layer w0.254: v2(-10.1,46.8) -4,46.8 -3.5,46.3 O32.2@-3.5,44.95
IN34: I34.2 O33.2 | length 10.5
  Top Layer w0.254: I34.2@-17.5,37.45 -17.5,39 -17,39.5 v2(-16,39.5)
  Bottom Layer w0.254: v2(-16,39.5) -11,39.5 -10.5,39 O33.2@-10.5,37.45
IN35: I35.2 O34.2 | length 10.2
  Top Layer w0.254: I35.2@-24.5,44.95 -24.5,46.4 v2(-24.1,46.8)
  Bottom Layer w0.254: v2(-24.1,46.8) -18,46.8 -17.5,46.3 O34.2@-17.5,44.95
IN36: I36.2 O35.2 | length 10.5
  Top Layer w0.254: I36.2@-31.5,37.5 -31.5,39.05 -31,39.55 v2(-30,39.55)
  Bottom Layer w0.254: v2(-30,39.55) -25,39.55 -24.5,39.05 O35.2@-24.5,37.5
IN37: I37.2 O36.2 | length 20.8
  Top Layer w0.254: I37.2@-44.95,45.5 -44.1,45.5 -43,44.4 v2(-43,43.3)
  Bottom Layer w0.254: v2(-43,43.3) -43,41.1 -41.163,39.263 -36.337,39.263 -31.5,44.1 O36.2@-31.5,44.95
IN38: I38.2 O37.2 | length 10.5
  Top Layer w0.254: v2(-39.5,40) -39.5,39 -39,38.5 I38.2@-37.45,38.5
  Bottom Layer w0.254: v2(-39.5,40) -39.5,45 -39,45.5 O37.2@-37.45,45.5
IN39: I39.2 O38.2 | length 10.2
  Top Layer w0.254: v2(-46.8,31.9) -46.4,31.5 I39.2@-44.95,31.5
  Bottom Layer w0.254: v2(-46.8,31.9) -46.8,38 -46.3,38.5 O38.2@-44.95,38.5
IN40: I40.2 O39.2 | length 10.5
  Top Layer w0.254: v2(-39.5,26) -39.5,25 -39,24.5 I40.2@-37.45,24.5
  Bottom Layer w0.254: v2(-39.5,26) -39.5,31 -39,31.5 O39.2@-37.45,31.5
IN41: I41.2 O40.2 | length 10.2
  Top Layer w0.254: v2(-46.8,17.9) -46.4,17.5 I41.2@-44.95,17.5
  Bottom Layer w0.254: v2(-46.8,17.9) -46.8,24 -46.3,24.5 O40.2@-44.95,24.5
IN42: I42.2 O41.2 | length 10.5
  Top Layer w0.254: v2(-39.5,12) -39.5,11 -39,10.5 I42.2@-37.45,10.5
  Bottom Layer w0.254: v2(-39.5,12) -39.5,17 -39,17.5 O41.2@-37.45,17.5
IN43: I43.2 O42.2 | length 10.2
  Top Layer w0.254: v2(-46.8,3.9) -46.4,3.5 I43.2@-44.95,3.5
  Bottom Layer w0.254: v2(-46.8,3.9) -46.8,10 -46.3,10.5 O42.2@-44.95,10.5
IN44: I44.2 O43.2 | length 10.5
  Top Layer w0.254: v2(-39.5,-2) -39.5,-3 -39,-3.5 I44.2@-37.45,-3.5
  Bottom Layer w0.254: v2(-39.5,-2) -39.5,3 -39,3.5 O43.2@-37.45,3.5
IN45: I45.2 O44.2 | length 10.2
  Top Layer w0.254: v2(-46.8,-10.1) -46.4,-10.5 I45.2@-44.95,-10.5